# Altium PCB SMIOT_PCB_V2.PcbDoc (part 1 of 2)
Units mm, origin at the board's own origin, x right, y up, seen from the top; angles counter-clockwise.
Board outline 99.95 x 48.01 mm, 2 copper layers (Top Layer, Bottom Layer); 112 components, 69 nets, 364 pads, 712 vias.
Unrouted connection lines stored in the file: 1.
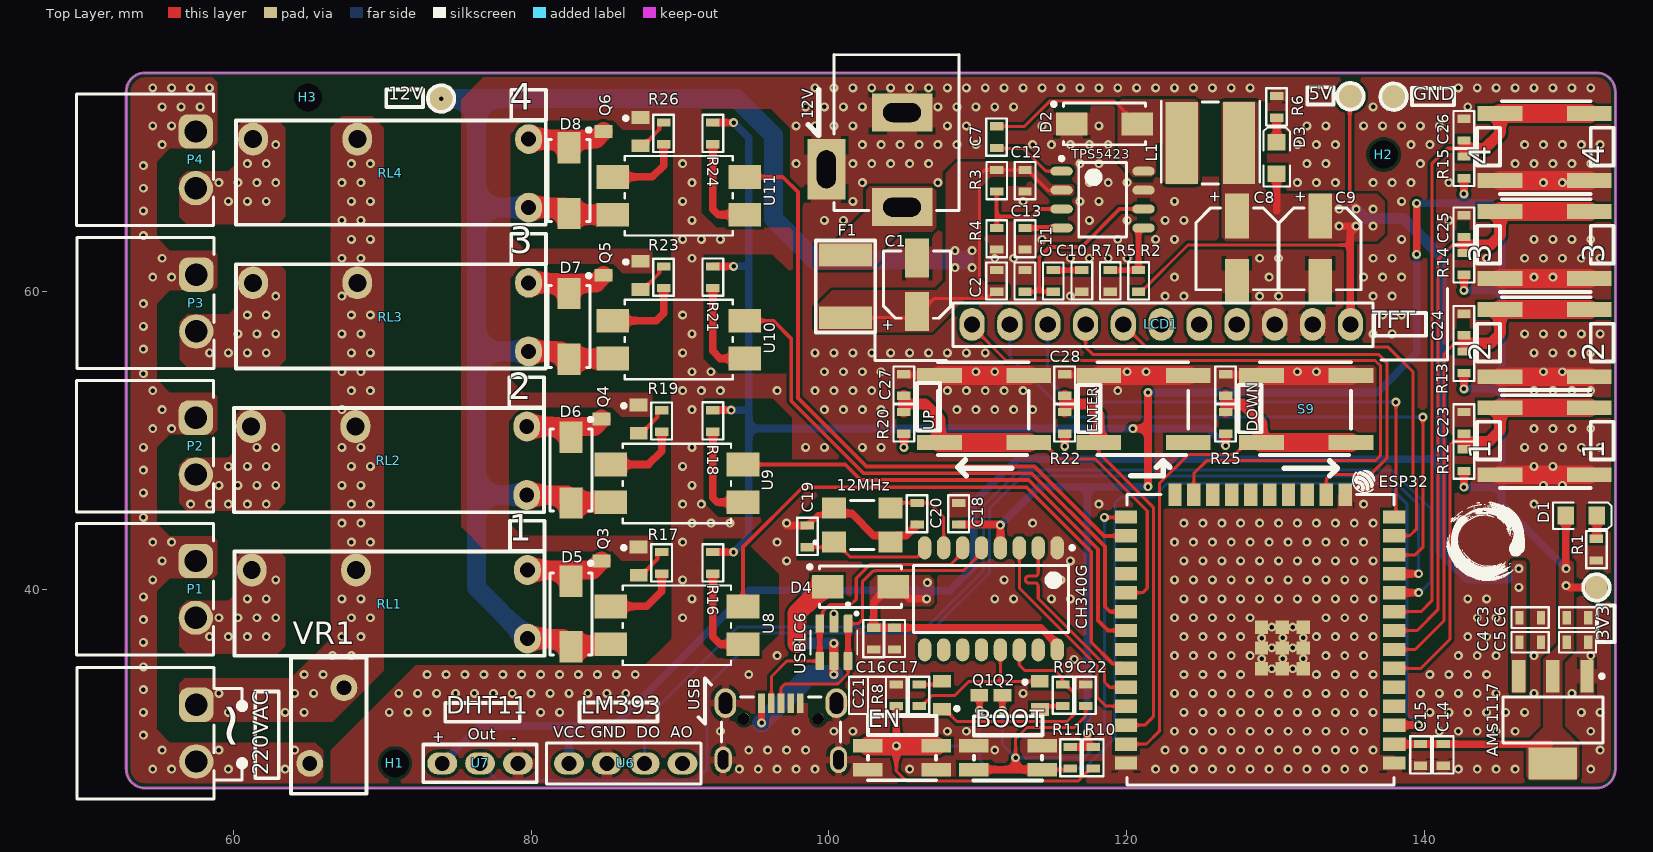
[diagram p0: Top Layer view]
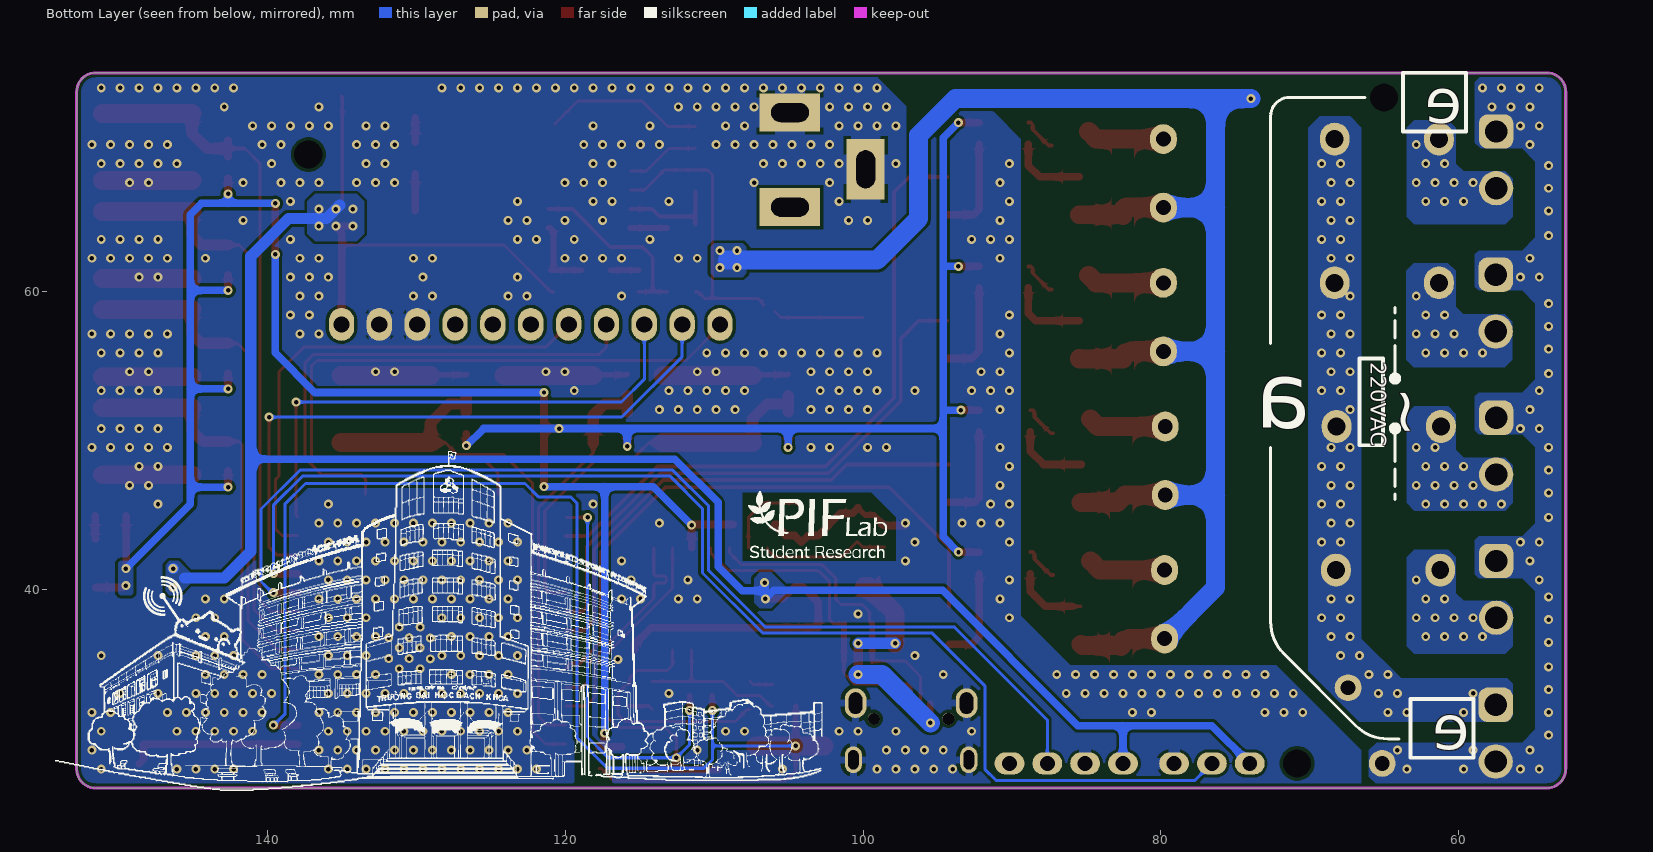
[diagram p1: Bottom Layer view, seen from below]

## Layer stack, top to bottom
Top Solder: solder mask 0.0102, Solder Resist, Dk 3.5
Top Layer: signal copper 0.0356
Dielectric 1: dielectric 0.32, FR-4, Dk 4.8
Bottom Layer: signal copper 0.0356
Bottom Solder: solder mask 0.0102, Solder Resist, Dk 3.5

## Board outline
52.832,27.94 52.832,73.406 cw(c54.102,73.406) 54.102,74.676 151.511,74.676 cw(c151.511,73.406) 152.781,73.406 152.781,27.94 cw(c151.511,27.94) 151.511,26.67 54.102,26.67 cw(c54.102,27.94)

## Design rules (kind name [scope] priority, off if disabled: settings)
Clearance [All] p1: gap=0.203 ignorepadtopadclearanceinfootprint=FALSE
PolygonConnect PolygonConnect_2 [All vs IsNamedPolygon('GND_L01_P044')] p1: connectstyle=Direct reliefconductorwidth=0.254 reliefentries=4 polygonreliefangle="90 Angle" airgapwidth=0.254
PolygonConnect PolygonConnect_1 [All vs IsNamedPolygon('GND_L01_P044')] p2: thpad.connectstyle=Direct thpad.reliefconductorwidth=0.254 thpad.reliefentries=4 thpad.polygonreliefangle="90 Angle" thpad.airgapwidth=0.254 smdpad.connectstyle=Relief smdpad.reliefconductorwidth=0.762 smdpad.reliefentries=4 smdpad.polygonreliefangle="90 Angle" smdpad.airgapwidth=0.203 via.connectstyle=Relief via.reliefconductorwidth=0.762 via.reliefentries=4 via.polygonreliefangle="90 Angle" via.airgapwidth=0.203
PolygonConnect [All] p3: connectstyle=Relief reliefconductorwidth=0.254 reliefentries=4 polygonreliefangle="90 Angle" airgapwidth=0.254
RoutingVias [All] p1: holewidth=0.711 width=1.27 viastyle="Through Hole" minholewidth=0.711 minwidth=1.27 maxholewidth=0.711 maxwidth=1.27
SolderMaskExpansion [All] p1: expansion=0.102 istentingtop=FALSE
Width [All] p1: maxlimit=1.27 minlimit=0.203 preferedwidth=0.508 minimp=50.000000 maximp=50.000000 favimp=50.000000
30 further rules are at their usual default settings.

## Classes and differential pairs
component class "Power Circuit": 3V3 5V 12V AMS1117 C1 C2 C3 C4 C5 C6 C7 C8 C9 C10 C11 C12 C13 D1 D2 D3 F1 GND H1 H2 H3 L1 R1 R2 R3 R4 R5 R6 R7 TPS5423
component class Output: C27 C28 D5 D6 D7 D8 LCD1 P1 P2 P3 P4 Q3 Q4 Q5 Q6 R16 R17 R18 R19 R20 R21 R22 R23 R24 R25 R26 RL1 RL2 RL3 RL4 S9 U8 U9 U10 U11 UP VR1
component class MCU: 3 BOOT C14 C15 C16 C17 C18 C19 C20 C21 C22 CH340G D4 debug EN Q1 Q2 R8 R9 R10 R11 USBLC6
component class Input: 1 2 4 C23 C24 C25 C26 R12 R13 R14 R15 U6 U7

## Components (designator, comment, footprint, x,y, rotation, side; value= is the part's Value field where it differs from the comment)
1 "Tactile_Switch_6x6" Tactile_Switch_6x6 145.034,47.697 r0 top (schematic designator S3)
2 "Tactile_Switch_6x6" Tactile_Switch_6x6 145.034,54.277 r0 top (schematic designator S4)
3 "Tactile_Switch_6x6" Tactile_Switch_6x6 145.034,60.857 r0 top (schematic designator S5)
3V3 "Test_Point" TP_2MM#1 151.511,40.132 r0 top (schematic designator TP3)
4 "Tactile_Switch_6x6" Tactile_Switch_6x6 145.034,67.437 r0 top (schematic designator S6)
5V "Test_Point" TP_2MM#2 135.001,73.101 r0 top (schematic designator TP2)
12MHz "12MHz" WE-XTAL_CFPX-104 102.235,44.323 r0 top (schematic designator Y1)
12V "Test_Point" TP_2MM#2 73.965,72.949 r0 top (schematic designator TP1)
12V "Jack DC" DC-IN 102.362,68.834 r270 top value="Jac DC" (schematic designator JDC1)
AMS1117 "AMS1117-3.3V" "AMS1117-3.3V SOT223" 148.59,31.242 r270 top (schematic designator U1)
BOOT "Tactile_Switch" Tactile_Button_3x4x2.5 112.014,28.702 r180 top (schematic designator S2)
C1 "22uF" WCAP-ASLI_D4H5.5 105.918,60.452 r270 top
C2 "100nF" CAP_0603 111.252,60.706 r90 top
C3 "1uF" CAP_0603 147.066,38.1 r0 top
C4 "100nF" CAP_0603 147.066,36.449 r0 top
C5 "1uF" CAP_0603 150.241,36.449 r0 top
C6 "100nF" CAP_0603 150.241,38.1 r0 top
C7 "100nF" CAP_0603 111.252,70.358 r90 top
C8 "47uF" WCAP-ASLI_D5H5.5 127.381,62.865 r90 top
C9 "47uF" WCAP-ASLI_D5H5.5 132.969,62.865 r90 top
C10 "1nF" CAP_0603 115.062,60.706 r90 top
C11 "47n" CAP_0603 113.157,60.706 r90 top
C12 "10nF" CAP_0603 113.157,67.437 r270 top
C13 "10nF" CAP_0603 113.157,63.537 r270 top
C14 "10uF" CAP_0603 141.224,28.896 r270 top
C15 "100nF" CAP_0603 139.7,28.896 r270 top
C16 "10uF" CAP_0603 102.997,36.703 r90 top
C17 "100nF" CAP_0603 104.394,36.703 r270 top
C18 "10nF" CAP_0603 108.712,45.085 r90 top
C19 "22pF" CAP_0603 98.552,43.561 r270 top
C20 "22pF" CAP_0603 105.918,45.085 r90 top
C21 "100nF" CAP_0603 104.521,32.893 r90 top
C22 "100nF" CAP_0603 117.221,32.893 r90 top
C23 "100nF" CAP_0603 142.621,51.181 r90 top
C24 "100nF" CAP_0603 142.621,57.785 r90 top
C25 "100nF" CAP_0603 142.621,64.389 r90 top
C26 "100nF" CAP_0603 142.621,70.866 r90 top
C27 "100nF" CAP_0603 105.029,53.721 r90 top
C28 "100nF" CAP_0603 115.824,53.721 r90 top
CH340G "CH340G" DSIP-16 110.871,39.37 r270 top (schematic designator U3)
D1 "LED SMD" LED_0805_Blue 150.495,44.958 r0 top
D2 "D Schottky" SS34 118.491,71.247 r0 top
D3 "LED SMD" LED_0805_Blue 130.048,68.961 r90 top
D4 "D Schottky" SS34 102.108,40.183 r0 top
D5 "SS210" SS34 82.677,38.354 r270 top
D6 "SS210" SS34 82.677,48.006 r270 top
D7 "SS210" SS34 82.55,57.658 r270 top
D8 "SS210" SS34 82.55,67.437 r270 top
DOWN "100nF" CAP_0603 126.619,53.721 r90 top (schematic designator C29)
EN "Tactile_Switch" Tactile_Button_3x4x2.5 104.902,28.702 r0 top (schematic designator S1)
ENTER "Tactile_Switch_6x6" Tactile_Switch_6x6 124.11,54.356 r180 top (schematic designator S8)
ESP32 "ESP32-WROOM-32E" ESP32-WROOM 137.932,46.361 r180 top (schematic designator U5)
F1 "8V, 2A" Fuse_SMD_1812 101.092,60.325 r270 top
GND "Test_Point" TP_2MM#2 137.897,73.076 r0 top (schematic designator TP4)
H1 "Tooling Hole 1mm" 2mm#1 70.866,28.321 r0 top
H2 "Tooling Hole 1mm" 2mm#2 137.23,69.187 r0 top
H3 "Tooling Hole 1mm" 2mm#1 65.024,73.025 r0 top
L1 "10uH, 2.2A" WE-PD2A_5848 125.603,69.977 r0 top
LCD1 "ILI9225" "LCD TFT ILI9225" 118.487,115.176 r0 top
P1 "691322310002" 691322310002 54.102,40.005 r270 top
P2 "691322310002" 691322310002 54.102,49.615 r270 top
P3 "691322310002" 691322310002 54.131,59.224 r270 top
P4 "691322310002" 691322310002 54.102,68.834 r270 top
Q1 "BC817" SOT23B 108.839,32.893 r270 top
Q2 "BC817" SOT23B 112.903,32.893 r90 top
Q3 "MMBTA42" SOT23B 85.979,41.91 r90 top
Q4 "MMBTA42" SOT23B 85.979,51.435 r90 top
Q5 "MMBTA42" SOT23B 86.106,61.087 r90 top
Q6 "MMBTA42" SOT23B 86.106,70.739 r90 top
R1 "2.5k" resistor_0603 151.511,42.672 r270 top
R2 "8.2k" resistor_0603 120.777,60.706 r270 top
R3 "100k" resistor_0603 111.252,67.437 r270 top
R4 "20k" resistor_0603 111.252,63.537 r270 top
R5 "1.5k" resistor_0603 118.872,60.706 r270 top
R6 "5.6k" resistor_0603 130.048,72.39 r90 top
R7 "30k" resistor_0603 116.967,60.706 r270 top
R8 "10k" resistor_0603 106.045,32.893 r90 top
R9 "10k" resistor_0603 115.697,32.893 r270 top
R10 "10k" resistor_0603 117.729,28.702 r270 top
R11 "10k" resistor_0603 116.205,28.702 r270 top
R12 "10k" resistor_0603 142.621,48.678 r90 top
R13 "10k" resistor_0603 142.621,55.245 r90 top
R14 "10k" resistor_0603 142.621,61.849 r90 top
R15 "10k" resistor_0603 142.621,68.326 r90 top
R16 "220" resistor_0603 92.202,41.783 r270 top
R17 "2.2k" resistor_0603 88.773,41.783 r90 top
R18 "220" resistor_0603 92.202,51.308 r270 top
R19 "2.2k" resistor_0603 88.773,51.308 r90 top
R20 "10k" resistor_0603 105.029,51.181 r90 top
R21 "220" resistor_0603 92.202,60.96 r270 top
R22 "10k" resistor_0603 115.824,51.181 r90 top
R23 "2.2k" resistor_0603 88.9,60.96 r90 top
R24 "220" resistor_0603 92.202,70.612 r270 top
R25 "10k" resistor_0603 126.619,51.181 r90 top
R26 "2.2k" resistor_0603 88.9,70.612 r90 top
RL1 "HF46F" HF46F 70.506,38.753 r180 top
RL2 "HF46F" HF46F 70.464,48.387 r180 top
RL3 "HF46F" HF46F 70.591,58.029 r180 top
RL4 "HF46F" HF46F 70.591,67.681 r180 top
S9 "Tactile_Switch_6x6" Tactile_Switch_6x6 135.032,54.356 r180 top
TPS5423 "TPS54231D" SOIC8 118.364,66.167 r0 top (schematic designator U2)
U6 "LM393_Module" "Flame Sensor" 82.55,28.321 r270 top
U7 "DHT11_Module" DHT11_Module 74.041,28.321 r270 top
U8 "PC817X2NIPW" PC817XI_SHP 89.789,37.592 r180 top
U9 "PC817X2NIPW" PC817XI_SHP 89.789,47.117 r180 top
U10 "PC817X2NIPW" PC817XI_SHP 89.916,56.769 r180 top
U11 "PC817X2NIPW" PC817XI_SHP 89.916,66.421 r180 top
UP "Tactile_Switch_6x6" Tactile_Switch_6x6 113.411,54.356 r180 top (schematic designator S7)
USB "629105150521" 629105150521 96.774,29.464 r0 top (schematic designator J1)
USBLC6 "USBLC6-2SC6" SOT95P280X145-6N 100.33,36.449 r270 top (schematic designator U4)
VR1 "Varistor" 07D471K 65.913,33.909 r270 top
~ "691322310002" 691322310002 54.131,30.353 r270 top (schematic designator P5)

## Footprints (in the part's own frame and the unit in brackets; to place one, negate y for a bottom-side part, rotate by r counter-clockwise, add the part's x,y. Pads: shape width x height; smd on the part's side, far side on the other; paste and mask are expansions set on the pad)
2mm#1 [mm]
  round 0 hole 1.9 unplated mask+0: 0(0,0)
2mm#2 [mm]
  round 1.1 hole 1.9 unplated mask+0: 0(0,0)
07D471K [mm] "Varistor 07D471K 470V"
  round 1.8 hole 1: 1(0.508,1.524) 2(5.588,-0.762)
  silkscreen extent -1.52,-2.03 7.62,3.05, body extent -1.45,-1.99 7.55,3.01, height 12.5
629105150521 [mm]
  rect 0.45x1.3 smd: 1(-1.3,2.9) 2(-0.65,2.9) 3(0,2.9) 4(0.65,2.9) 5(1.3,2.9)
  round 0.8 hole 0.8 unplated: MH1(-2.5,1.85) MH2(2.5,1.85)
  oval 1.15x1.8 hole 0.7 slot 1.3 at 90 deg: Shell(-3.875,-0.9) Shell(3.875,-0.9)
  oval 1.45x2 hole 0.9 slot 1.45 at 90 deg: Shell(-3.725,2.9) Shell(3.725,2.9)
  silkscreen extent -4,0.3 4,3.3, body extent -4,-3.3 4,3.3, height 2.75
691322310002 [mm] "Horizontal PCB Header, pitch 3.81mm, 02p"
  rrect50% 2.3x2.3 hole 1.5: 1(-1.905,3.4)
  round 2.3 hole 1.5: 2(1.905,3.4)
  silkscreen extent -4.4,-4.6 4.41,4.6, body extent -4.4,-4.6 4.41,4.6, height 7.25
"AMS1117-3.3V SOT223" [mm] "SOT223, 4-Leads, Body 6.51x7.00mm, Pitch 2.29mm"
  rect 2.15x0.9 smd: 1(-2.93,2.29) 2(-2.93,0) 3(-2.93,-2.29)
  rect 2.15x3.25 smd: 4(2.93,0)
  silkscreen extent -3.05,-3.35 1.55,3.42, body extent -3.5,-3.35 3.5,3.35, height 1.8
CAP_0603 [mm]
  rect 0.55x0.9 smd: 1(-0.725,0) 2(0.725,0)
  silkscreen extent -1.25,-0.69 1.24,0.7, body extent -0.8,-0.45 0.8,0.45, height 0.5
DC-IN [mil]
  rect 100x160 hole 50 slot 100 at 90 deg: 1(125,100) 2(-125,100)
  rect 160x100 hole 50 slot 100 at 0 deg: 3(25,-100)
  silkscreen extent -278,-80 134,250, body extent -410,-105 134,269, height 434
DHT11_Module [mm]
  oval 1.5x2 hole 1: 1(0,0) 2(0,2.54) 3(0,5.08)
  silkscreen extent -1.27,-1.27 1.27,6.35, body extent -0.99,-5.08 7.51,10.92, height 3.61
DSIP-16 [mm]
  oval 1.55x0.9 smd: 1(-3.425,4.445) 2(-3.425,3.175) 3(-3.425,1.905) 4(-3.425,0.635) 5(-3.425,-0.635) 6(-3.425,-1.905) 7(-3.425,-3.175) 8(-3.425,-4.445) 9(3.425,-4.445) 10(3.425,-3.175) 11(3.425,-1.905) 12(3.425,-0.635) 13(3.425,0.635) 14(3.425,1.905) 15(3.425,3.175) 16(3.425,4.445)
  silkscreen extent -3.55,-5.2 2.25,5.57, body extent -3.75,-5.2 3.75,5.2, height 2.25
ESP32-WROOM [mm]
  rect 1.5x0.9 smd mask+0.102: 1(0,18.01) 2(0,16.74) 3(0,15.47) 4(0,14.2) 5(0,12.93) 6(0,11.66) 7(0,10.39) 8(0,9.12) 9(0,7.85) 10(0,6.58) 11(0,5.31) 12(0,4.04) 13(0,2.77) 14(0,1.5) 25(18,1.5) 26(18,2.77) 27(18,4.04) 28(18,5.31) 29(18,6.58) 30(18,7.85) 31(18,9.12) 32(18,10.39) 33(18,11.66) 34(18,12.93) 35(18,14.2) 36(18,15.47) 37(18,16.74) 38(18,18.01)
  rect 0.9x1.5 smd mask+0.102: 15(3.28,0) 16(4.55,0) 17(5.82,0) 18(7.09,0) 19(8.36,0) 20(9.63,0) 21(10.9,0) 22(12.17,0) 23(13.44,0) 24(14.71,0)
  round 0.6 hole 0.3 mask+0.102: 39(6.096,9.598) 39(6.096,10.998) 39(6.807,8.884) 39(6.807,10.284) 39(6.807,11.684) 39(7.468,9.598) 39(7.468,10.998) 39(8.204,8.884) 39(8.204,10.284) 39(8.204,11.684) 39(8.89,9.624) 39(8.89,11.024)
  rect 0.9x0.9 smd mask+0.102: 39(6.1,8.89) 39(6.1,10.29) 39(6.1,11.69) 39(7.5,8.89) 39(7.5,10.29) 39(7.5,11.69) 39(8.9,8.89) 39(8.9,10.29) 39(8.9,11.69)
  silkscreen extent 0,0 17.94,19.5, body extent -0.03,-0.03 18.04,25.51, height 3.04
"Flame Sensor" [mm]
  oval 1.5x2 hole 1: 1(0,0) 2(0,2.54) 3(0,5.08) 4(0,7.62)
  silkscreen extent -1.37,-1.52 1.37,8.86, body extent -1.16,-4.57 6.6,9.65, height 40.07
Fuse_SMD_1812 [mil] "Fuse SMD, size 1812"
  rect 60x140 smd: 0(-83.41,0) 1(82,0)
  silkscreen extent -122,-78 121,79, body extent -93,-67 93,67, height 18
HF46F [mm]
  oval 1.8x2 hole 1: 1(-9.25,2.05) 2(-9.25,-2.55)
  oval 2x2.2 hole 1.2: 3(2.25,-2.55) 4(9.25,-2.55)
  silkscreen extent -10.4,-3.8 10.4,3.2, body extent -10.2,-3.81 10.2,3.19, height 14.79
"LCD TFT ILI9225" [mm]
  oval 1.7x2.2 hole 1.1 mask+0.102: 1(-8.886,-57.391) 2(-6.346,-57.391) 3(-3.806,-57.391) 4(-1.266,-57.391) 5(1.274,-57.391) 6(3.814,-57.391) 7(6.354,-57.391) 8(8.894,-57.391) 9(11.434,-57.391) 10(13.974,-57.391) 11(16.514,-57.391)
  silkscreen extent -15.39,-59.82 23.01,-54.99, body extent -15.4,-59.78 23.05,2.76, height 14.67
LED_0805_Blue [mm]
  rect 1.1x1.2 smd: 1(-1.05,0) 2(1.05,0)
  silkscreen extent -1.91,-0.89 2.03,0.89, body extent -1,-0.63 1,0.62, height 0.68
PC817XI_SHP [mm]
  rect 2.2x1.6 smd paste+0 mask+0: 1(-4.432,1.27) 2(-4.432,-1.27) 3(4.432,-1.27) 4(4.432,1.27)
  silkscreen extent -3.63,-2.67 3.63,2.67, body extent -5,-2.54 5,2.54, height 4.6
resistor_0603 [mm]
  rect 0.55x0.9 smd: 1(-0.725,0) 2(0.725,0)
  silkscreen extent -1.25,-0.69 1.24,0.7, body extent -0.8,-0.45 0.8,0.45, height 0.5
SOIC8 [mm]
  oval 1.5x0.6 smd: 1(-2.75,1.905) 2(-2.75,0.635) 3(-2.75,-0.635) 4(-2.75,-1.905) 5(2.75,-1.905) 6(2.75,-0.635) 7(2.75,0.635) 8(2.75,1.905)
  silkscreen extent -2.87,-2.5 1.6,2.88, body extent -3.01,-2.5 3.01,2.5, height 1.75
SOT23B [mm]
  rect 0.85x1.2 smd: 1(0.94,-1.245) 2(0,1.25) 3(-0.95,-1.25)
  silkscreen extent 0.77,-0.38 1.02,-0.13, body extent -1.5,-1.3 1.5,1.2, height 1.06
SOT95P280X145-6N [mm]
  rrect25% 1.21x0.59 smd: 1(-1.255,0.95) 2(-1.255,0) 3(-1.255,-0.95) 4(1.255,-0.95) 5(1.255,0) 6(1.255,0.95)
  silkscreen extent -2.65,-1.57 0.81,1.57, body extent -1.4,-1.46 1.4,1.46, height 0.4
SS34 [mm]
  rect 2.1x1.55 smd: 1(-2.2,0) 2(2.2,0)
  silkscreen extent -3.52,-1.4 2.75,1.45, body extent -2.75,-1.42 2.75,1.38, height 2.3
Tactile_Button_3x4x2.5 [mm] "Tactile button, 4 Pin, SMD"
  rect 2x0.9 smd: 1(-2.3,0.8) 2(2.3,0.8) 3(2.3,-0.8) 4(-2.3,-0.8)
  silkscreen extent -2.3,-1.5 2.31,1.52
Tactile_Switch_6x6 [mm]
  rect 3x1 smd: 1(0,4.5) 2(6,4.5) 3(6,0) 4(0,0)
  silkscreen extent 0,-0.89 6.1,5.33, body extent -1.5,-0.79 7.5,5.21, height 13
TP_2MM#1 [mm] "Test point, 2mm."
  oval 1.5x2 smd: 1(0,0)
  silkscreen extent -0.89,-0.89 0.89,0.89
TP_2MM#2 [mm] "Test point, 2mm."
  round 2 smd: 1(0,0)
  silkscreen extent -0.89,-0.89 0.89,0.89
WCAP-ASLI_D4H5.5 [mm] "Aluminium Electrolytic V-Chip SMT Capacitors, 4x5.5mm"
  rect 2.6x1.6 smd: 1(1.8,0) 2(-1.8,0)
  silkscreen extent -2.25,-2.25 2.25,2.25, body extent -2.5,-2.15 2.5,2.15, height 5.5
WCAP-ASLI_D5H5.5 [mm] "Aluminium Electrolytic V-Chip SMT Capacitors, 5x5.5mm"
  rect 3x1.6 smd: 1(2.2,0) 2(-2.2,0)
  silkscreen extent -2.75,-2.75 2.75,2.75, body extent -3,-2.65 3,2.65, height 5.5
WE-PD2A_5848 [mm] "SMD Power Inductor, body 5.8x5.2mm"
  rect 2.15x5.5 smd: 1(-1.925,0) 2(1.925,0)
  silkscreen extent -0.55,-2.75 0.55,2.75, body extent -2.9,-2.6 2.89,2.6, height 4.5
WE-XTAL_CFPX-104 [mm]
  rect 1.6x1.4 smd: 1(-1.9,-1.15) 2(1.9,-1.15) 3(1.9,1.15) 4(-1.9,1.15)
  silkscreen extent -3.24,-1.65 0.8,1.65, body extent -2.5,-1.6 2.5,1.6, height 0.95

## Part data
1 2 3 4 ENTER S9 UP: "Tactile Switch, 6x6mm"
3V3 5V 12V GND: "Test point, 2mm radius"
12MHz: library part 830055999, "WE-XTAL Quartz Crystal, SMT, CFPX-104, 12MHz, +/-30ppm", Frequency Stability=+/-30ppm, Load Capacitance=18pF, Manufacturer="Wurth Elektronik", Operating Temperature="-40 to +85degC", ComponentLink1Description=Manufacturer, ComponentLink1URL=http://www.we-online.de, ComponentLink2Description=Datasheet, ComponentLink2URL=https://katalog.we-online.com/pbs/datasheet/830055999.pdf, Frequency=12MHz, Frequency Tolerance=+/-30ppm, Manufacturer Part Number=830055999, Mounting Technology=SMT, Packaging="Tape and Reel", Published Date="July 2020", Size=CFPX-104
12V: "Jack DC input"
AMS1117: "AMS1117-3.3V, OUT 3.3V 1A.", Current Output Maximum=1A, Manufacturer=AMS, Voltage Input Maximum=15V, Voltage Output=3.3V, Datasheet=http://www.advanced-monolithic.com/pdf/ds1117.pdf, Mounting Technology=SMD, Pad Count=4, Supplier 3 Link=https://www.thegioiic.com/ams1117-3-3v-ic-on-ap-3-3v-1a-sot-223, Supplier 3 Name=ThegioiIC
BOOT EN: "Tactile Switch, 3x4x2.5mm", Package=None, Availability=Unavailable, ComponentLink1Description="New link", MP=TL6700AF160QG, Price=None, Supplier 1 Name=Thegioiic, Supplier 1 URL=https://www.thegioiic.com/nut-nhan-3x4mm-cao-2-5mm-4-chan-smd
C1: library part 865080340003, "V-Chip, D4 x H5.5mm, 22uF, 16V", Capacitance Tolerance=+/-20%, Leakage Current=3.52uA, Operating Temperature Max=105°C, Operating Temperature Min=-55°C, Rated Voltage (DC)=16V, Ripple Current=90mA, Capacitance=22uF, Category="Aluminum Electrolytic Capacitors", ComponentLink2Description="Datasheet Link", ComponentLink2URL=https://www.we-online.com/redexpert/spec/865080340003?ad, Diameter=4mm, Dissipation Factor=16%, Endurance=2000h, Height=5.5mm, Mount="Surface Mount", Packaging="Tape and Reel", Supply 1 Name=Mouser, Supply 1 SN=710-865080340003, Supply 1 URL=https://www.mouser.com/ProductDetail/Wurth-Elektronik/865080340003?qs=0KOYDY2FL2%252BowmC4S50IuQ%3D%3D, Supply 2 Name=thegioiic, Supply 2 URL=https://www.thegioiic.com/tu-nhom-smd-22uf-16v-4x5-4mm
C2 C4 C6 C7 C15 C17 C21 C22 C23 C24 C25 C26 C27 C28 DOWN: library part 01060310410, "CAP, size 0603, 100nF", Capacitance Tolerance=+/-10%, Operating Temperature="-55 to +125degC", Capacitance=100nF, ComponentLink1Description=Manufacturer, ComponentLink1URL=http://www.we-online.de, ComponentLink2Description=Datasheet, ComponentLink2URL=https://www.we-online.com/catalog/datasheet/885012206095.pdf, Mounting Technology=SMT, Packaging="Tape and Reel", Size=0603, Supply 1 Name="Wurth Elektronik", Supply 1 SN=885012206095, Supply 1 URL=https://www.we-online.com/en/components/products/WCAP-CSGP-50VDC?sq=885012206095R#885012206095R, Supply 2 Name=Thegioiic, Supply 2 URL=https://www.thegioiic.com/tu-gom-0603-100nf-0-1uf-50v
C3 C5: library part 01060310510, "CAP, size 0603, 1uF", Capacitance Tolerance=+/-10%, Operating Temperature="-55 to +125degC", Capacitance=1uF, ComponentLink1Description=Manufacturer, ComponentLink1URL=http://www.we-online.de, ComponentLink2Description=Datasheet, ComponentLink2URL=https://www.we-online.com/components/products/datasheet/885012206126.pdf, Mounting Technology=SMT, Packaging="Tape and Reel", Size=0603, Supply 1 Name="Wurth Elektronik", Supply 1 SN=885012206126, Supply 1 URL=https://www.we-online.com/en/components/products/WCAP-CSGP-50VDC?sq=885012206126#885012206126, Supply 2 Name=Thegioiic, Supply 2 URL=https://www.thegioiic.com/tu-gom-0603-1uf-50v
C8 C9: library part 865080342006, "V-Chip, D5 x H5.5mm, 47uF, 16V", Capacitance Tolerance=+/-20%, Leakage Current=7.52uA, Operating Temperature Max=105°C, Operating Temperature Min=-55°C, Rated Voltage (DC)=16V, Ripple Current=195mA, Capacitance=47uF, Category="Aluminum Electrolytic Capacitors", ComponentLink2Description="Datasheet Link", ComponentLink2URL=https://www.we-online.com/redexpert/spec/865080342006?ad, Diameter=5mm, Dissipation Factor=16%, Endurance=2000h, Height=5.5mm, Mount="Surface Mount", Packaging="Tape and Reel", Supply 1 Name=Mouser, Supply 1 SN=710-865080262015, Supply 1 URL=https://www.mouser.com/ProductDetail/Wurth-Elektronik/865080262015?qs=0KOYDY2FL2%2Ffe5w2MssUoQ%3D%3D, Supply 2 Name=thegioiic, Supply 2 URL=https://www.thegioiic.com/tu-nhom-smd-47uf-16v-5x5-4mm
C10: library part 0106031025, "CAP, size 0603, 1nF", Capacitance Tolerance=+/-5%, Operating Temperature="-55 to +125degC", Capacitance=1nF, ComponentLink1Description=Manufacturer, ComponentLink1URL=http://www.we-online.de, ComponentLink2Description=Datasheet, ComponentLink2URL=https://www.we-online.com/components/products/datasheet/885012006063.pdf, Mounting Technology=SMT, Packaging="Tape and Reel", Size=0603, Supply 1 Name="Wurth Elektronik", Supply 1 SN=885012006063, Supply 1 URL=https://www.we-online.com/en/components/products/WCAP-CSGP-50VDC?sq=885012007063#885012007063
C11: library part 01060347310, "CAP, size 0603, 47nF", Capacitance=47nF, Capacitance Tolerance=+/-10%, Operating Temperature="-55 to +125degC", ComponentLink1Description=Manufacturer, ComponentLink1URL=http://www.we-online.de, ComponentLink2Description=Datasheet, ComponentLink2URL=https://www.we-online.com/catalog/datasheet/885012206093.pdf, Mounting Technology=SMT, Packaging="Tape and Reel", Size=0603, Supply 1 Name="Wurth Elektronik", Supply 1 SN=885012206093, Supply 1 URL=https://www.we-online.com/en/components/products/WCAP-CSGP-50VDC?sq=885012206093#885012206093, Supply 2 Name=Thegioiic, Supply 2 URL=https://www.thegioiic.com/tu-gom-0603-47nf-50v
C12 C13 C18: library part 01060310310, "CAP, size 0603, 10nF", Capacitance Tolerance=+/-10%, Operating Temperature="-55 to +125degC", Capacitance=10nF, ComponentLink1Description=Manufacturer, ComponentLink1URL=http://www.we-online.de, ComponentLink2Description=Datasheet, ComponentLink2URL=https://www.we-online.com/catalog/datasheet/885012206089.pdf, Mounting Technology=SMT, Packaging="Tape and Reel", Size=0603, Supply 1 Name="Wurth Elektronik", Supply 1 SN=885012206089, Supply 1 URL=https://www.we-online.com/en/components/products/WCAP-CSGP-50VDC?sq=885012206089#885012206089, Supply 2 Name=Thegioiic, Supply 2 URL=https://www.thegioiic.com/tu-gom-0603-10nf-50v
C14 C16: library part 01060310010, "CAP, size 0603,10uF", Capacitance Tolerance=+/-10%, Operating Temperature="-55 to +125degC", Capacitance=10uF, ComponentLink1Description=Manufacturer, ComponentLink2Description=Datasheet, Mounting Technology=SMT, Packaging="Tape and Reel", Size=0603, Supply 2 Name=Thegioiic, Supply 2 URL=https://www.thegioiic.com/tu-gom-0603-10uf-16v
C19 C20: library part 01060322010, "CAP, size 0603, 22pF", Capacitance Tolerance=+/-10%, Operating Temperature="-55 to +125degC", Capacitance=22pF, ComponentLink1Description=Manufacturer, ComponentLink1URL=Thegioiic, ComponentLink2Description=Datasheet, Mounting Technology=SMT, Packaging="Tape and Reel", Size=0603, Supply 2 Name=Thegioiic, Supply 2 URL=https://www.thegioiic.com/tu-gom-0603-22pf-50v
CH340G: library part CH340, "USB Bridge, USB to UART USB 2.0 UART Interface", Current - Supply=20mA, Mfr="SparkFun Electronics", Operating Temperature="-20°C ~ 70°C (TA)", Voltage - Supply="3V ~ 3.6V", ComponentLink1Description=Thegioiic, ComponentLink1URL=https://www.thegioiic.com/ch340g, ComponentLink2Description=Datasheet, ComponentLink2URL=https://www.thegioiic.com/upload/documents/5d39d5f0043101a4c964078db79fe1bd.PDF, Function="Bridge, USB to UART", Interface=UART, Protocol=USB, Standards="USB 2.0"
D1 D3: "LED"
D2 D4: "Schottky Diode", Code_JEDEC=DO-214-AA, LatestRevisionDate=17-Jul-2002, LatestRevisionNote="Re-released for DXP Platform.", PackageDescription="DO-214-AA/SMB; 2 C-Bend Leads; Body 5.3 x 3.6 mm, inc. leads (LxW)", PackageReference=SMB, Published=8-Jun-2000, Publisher="Altium Limited"
D5 D6 D7 D8: library part "D Schottky", "Schottky Diode", Code_JEDEC=DO-214-AA, LatestRevisionDate=17-Jul-2002, LatestRevisionNote="Re-released for DXP Platform.", PackageDescription="DO-214-AA/SMB; 2 C-Bend Leads; Body 5.3 x 3.6 mm, inc. leads (LxW)", PackageReference=SMB, Published=8-Jun-2000, Publisher="Altium Limited"
ESP32: library part ESP32-WROOM, "Bluetooth, WiFi 802.11b/g/n, Bluetooth v4.2 +EDR, Class 1, 2 and 3 Transceiver Module 2.4GHz ~ 2.5GHz Integrated, Trace Surface Mount", Frequency="2.4GHz ~ 2.5GHz", Mfr="Espressif Systems", Operating Temperature="-40°C ~ 85°C", Power - Output=20dBm, Voltage - Supply="3V ~ 3.6V", Antenna Type="Integrated, Trace", Category="RF and Wireless", ComponentLink1Description=Hshop, ComponentLink1URL=https://hshop.vn/products/mach-thu-phat-wifi-ble-soc-esp32-v1, ComponentLink2Description=Datasheet, ComponentLink2URL=https://www.espressif.com/sites/default/files/russianDocumentation/esp32-wroom-32e_esp32-wroom-32ue_datasheet_en.pdf, Data Rate=150Mbps, Memory Size="4MB Flash, 448kB ROM, 536kB SRAM", Modulation="CCK, DSSS, OFDM", Mounting Type="Surface Mount", Protocol="802.11b/g/n, Bluetooth v4.2 +EDR, Class 1, 2 and 3", RF Family/Standard="Bluetooth, WiFi", Sensitivity=-98dBm, Serial Interfaces="ADC, GPIO, I²C, I²S, PWM, SDIO, SPI, UART", Series=ESP32, Utilized IC / Part=ESP32-D0WD-V3
F1: library part 061812200008, "Resettable Fuse, Size 1812, 8V, 2A", Hold Current=2A, Manufacturer=Littelfuse, Threshold Current=100A, Threshold Voltage=8V, Trip Current=4A, ComponentLink1Description="Datasheet link", ComponentLink1URL=https://www.littelfuse.com/~/media/electronics/product_specifications/resettable_ptcs/littelfuse_ptc_minismdc300f_2_product_specification.pdf.pdf, ComponentLink2Description="Supply 1 URL", ComponentLink2URL=https://www.mouser.vn/ProductDetail/Littelfuse/MINISMDC200F-2?qs=F6FIpiMdEVbPu4q%2F42CC1w%3D%3D, ComponentLink3Description="Supply 2 URL", ComponentLink3URL=https://www.digikey.com/en/products/detail/littelfuse-inc/MINISMDC200F-2/1045898?s=N4IgTCBcDaIAQFkCSA5JBlBARAwmADPgGIC0EAugL5A, ComponentLink4Description="Supply 3 URL", ComponentLink4URL=https://www.thegioiic.com/cau-chi-tu-phuc-hoi-1812-8v-2a, Mounting Technology=SMT/SMD, Size=1812, Supply 1 Name=Mouser, Supply 1 SN=650-MINISMDC200F-2, Supply 2 Name=Digikey, Supply 2 SN=MINISMDC200F-2TR-ND, Supply 3 Name=Thegioiic, Supply 3 SN=N/A
H1 H2 H3: library part "Tooling Hole 2mm"
L1: library part 78477410, "WE-PD2A SMT Power Inductor, size 5848, 10uH, 2.2A", DC Resistance max.=0.1Ohm, DC Resistance typ.=0.078Ohm, Inductance=10uH, Manufacturer="Wurth Elektronik", Operating Temperature="-40 to +125degC", Rated Current=2.2A, Rated Voltage=80VDC, Saturation Current=2.5A, Self Resonant Frequency=26MHz, ComponentLink1Description=Manufacturer, ComponentLink1URL=http://www.we-online.de, ComponentLink2Description=Datasheet, ComponentLink2URL=https://www.we-online.com/catalog/datasheet/78477410.pdf, Manufacturer Part Number=78477410, Mounting Technology=SMT, Packaging="Tape and Reel", Published Date="May 2020", Size=5848, Supply 1 Name=Digi-Key, Supply 1 SN=732-6830-2-ND, Supply 1 URL=https://www.digikey.com/en/products/detail/w%C3%BCrth-elektronik/78477410/5168779?s=N4IgTCBcDaIOwA4Asc5IIwAYQF0C%2BQA, Supply 2 Name=Mouser, Supply 2 SN=710-78477410, Supply 2 URL=https://www.mouser.vn/ProductDetail/Wurth-Elektronik/78477410?qs=sBf%2Fb4nBSldlX6CYaJExDg%3D%3D, Supply 3 Name=thegioiic, Supply 3 URL=https://www.thegioiic.com/cuon-cam-dan-smd-cd53-5852-100-10uh-1-8a
LCD1: library part "LCD TFT", "The ILI9225 is a 262,144-color one-chip SoC driver for a-TFT liquid crystal display with resolution of 176RGBx220 dots, comprising a 528-channel source driver, a 220-channel gate driver, 87120 bytes RAM for graphic data of 176RGBx220 dots, and power supply circuit.", Display Color="16BIT RGB 65K color", Operating Temperature=-20℃~60℃, Operating Voltage=5V/3.3V, Power Consumption=TBD, Rough Weight(Package containing)="23 (g)", Storage Temperature=-30℃~70℃, Active Area="34.85x43.56 (mm)", Backlight="3 White Led", ComponentLink1Description=Hshop, ComponentLink1URL=https://hshop.vn/products/man-hinh-lcd-tft-2-inch-ili9225-giao-tiep-spi, ComponentLink2Description=Thegioiic, ComponentLink2URL=https://www.thegioiic.com/lcd-2inch-176x220-tft-ili9225-giao-tiep-spi, Driver IC=ILI9225, Module Interface="4-wire SPI interface", Module PCB Size="42.46x67.20 (mm)", Resolution="176*220 (Pixel)", Screen Size=2.2(inch), SKU=MAR2201, Type=TFT
P1 P2 P3 P4 ~: "WR-TBL Series 322 Horizontal PCB Header, THT, pitch 3.81mm, 2p", Manufacturer="Wurth Elektronik", Operating Temperature Max=105°C, Operating Temperature Min=-40°C, Rated Current=10A, Working Voltage=300V, Application=Pluggable, Category="Terminal Blocks", ComponentLink1Description="Website Link", ComponentLink1URL=https://www.we-online.com/redexpert/article/691322310002?ad, ComponentLink2Description="Datasheet Link", ComponentLink2URL=https://www.we-online.com/redexpert/spec/691322310002?ad, Manufacturer Part Number=691322310002, Match Code=WR-TBL, Modularity=No, Mount="Through Hole", Number of Pins=2, Number of Rows=1, Orientation=Horizontal, Packaging=Box, Pitch=3.81mm, Supply 3 Name=ThegioiIC, Supply 3 URL 1=https://www.thegioiic.com/kf-3-81-2-r-terminal-block-plug-in-han-pcb-2-chan-cong-3-81mm-300v-10a, Supply 3 URL 2=https://www.thegioiic.com/ul-3-81-2-r-terminal-block-plug-in-han-pcb-2-chan-cong-3-81mm-300v-10a-ulo
Q1 Q2: "NPN Bipolar Transistor"
Q3 Q4 Q5 Q6: library part BC817, "NPN Bipolar Transistor"
R1: library part 0006032525, "RES, 2.5K Ohm, size 0603, 5%", Rated Power="1/4 W", Resistance=2.5K, Resistance tolerance=+/-5%, ComponentLink1Description="Datasheet link", Mounting Technology=SMT, Size=0603
R2: library part 0006038251, "RES, 8.2 kOhms, size 0603, 1%", Rated Power="1/4 W", Resistance=8.2K, Resistance tolerance=+/-1%, ComponentLink1Description="Datasheet link", Mounting Technology=SMT, Size=0603, Supply 1 Name=Mouser, Supply 1 SN=660-HV731JTTD8204F, Supply 1 URL=https://www.mouser.vn/ProductDetail/KOA-Speer/HV731JTTD8204F?qs=ZqVPfSd1khqN0teaqWW7DA%3D%3D, Supply 2 Name=Digi-Key, Supply 2 SN=13-RC0603FR-078M2LTR-ND, Supply 2 URL=https://www.digikey.com/en/products/detail/yageo/RC0603FR-078M2L/5918418
R3: library part 0006031041, "RES, 100k Ohm, size 0603, 1%", Rated Power=1/4W, Resistance Tolerant=+/-1%, ComponentLink1Description="Datasheet link", ComponentLink1URL=https://www.yageo.com/upload/media/product/productsearch/datasheet/rchip/PYu-SR_20105_RoHS_L_10.pdf, ComponentLink2Description="Supply 1 URL", ComponentLink2URL=https://www.mouser.vn/ProductDetail/YAGEO/SR0603FR-7T100KL?qs=sGAEpiMZZMvdGkrng054tz1y1XEHv7sNa%252BA%2F4WiDMf7aGw4zRBb%2FFQ%3D%3D, ComponentLink3Description="Supply 2 URL", ComponentLink3URL=https://www.digikey.com/en/products/detail/yageo/SR0603FR-7T100KL/9373095, Mounting Technology=SMT, Resistance=100k, Size=0603, Supply 1 Name=Mouser, Supply 1 SN=603-SR0603FR-7T100KL, Supply 2 Name=Digikey, Supply 2 SN="YAG5821TR-ND YAG5821CT-ND YAG5821DKR-ND"
R4: library part 0006032031, "RES, 20 kOhms, size 0603, 1%", Rated Power="1/4 W", Resistance="20 k", Resistance tolerance=+/-1%, ComponentLink1Description="Datasheet link", Mounting Technology=SMT, Size=0603, Supply 1 Name=Mouser, Supply 1 SN=667-ERJ-S03F2002V, Supply 1 URL=https://www.mouser.vn/ProductDetail/Panasonic/ERJ-S03F2002V?qs=Zyl8A9hlmJopfTdqNIDujw%3D%3D, Supply 2 Name=Digi-Key, Supply 2 SN=13-RC0603FR-1320KLTR-ND, Supply 2 URL=https://www.digikey.com/en/products/detail/yageo/RC0603FR-1320KL/13694225
R5: library part 0006031521, "RES, 1.5 kOhms, size 0603, 1%", Rated Power="1/4 W", Resistance="1.5 k", Resistance tolerance=+/-1%, ComponentLink1Description="Datasheet link", Mounting Technology=SMT, Size=0603, Supply 1 Name=Mouser, Supply 1 SN=755-SFR03EZPF1501, Supply 1 URL=https://www.mouser.vn/ProductDetail/ROHM-Semiconductor/SFR03EZPF1501?qs=byeeYqUIh0NryWvnzlukLQ%3D%3D, Supply 2 Name=Digi-Key, Supply 2 SN=13-RC0603FR-071R5LTR-ND, Supply 2 URL=https://www.digikey.com/en/products/detail/yageo/RC0603FR-071R5L/5918292
R6: library part 0006035621, "RES, 5.6k Ohm, size 0603, 1%", Rated Power=1/4W, Resistance Tolerant=+/-1%, ComponentLink1Description="Datasheet link", ComponentLink1URL=https://api.pim.na.industrial.panasonic.com/file_stream/main/fileversion/4484, ComponentLink2Description="Supply 1 URL", ComponentLink2URL=https://www.mouser.vn/ProductDetail/Panasonic/ERJ-UP3F5601V?qs=sGAEpiMZZMvdGkrng054twq3eZrCFN89ezYxgAsnxBTZYD17cS%252B65A%3D%3D, ComponentLink3Description="Supply 2 URL", ComponentLink3URL=https://www.digikey.com/en/products/detail/panasonic-electronic-components/ERJ-UP3F5601V/12092890, Mounting Technology=SMT, Resistance=5.6k, Size=0603, Supply 1 Name=Mouser, Supply 1 SN=667-ERJ-UP3F5601V, Supply 2 Name=Digikey, Supply 2 SN="10-ERJ-UP3F5601VTR-ND 10-ERJ-UP3F5601VCT-ND 10-ERJ-UP3F5601VDKR-ND"
R7: library part 0006033205, "RES, 30k Ohm, size 0603, 1%", Rated Power="1/4 W", Resistance tolerance=+/-1%, ComponentLink1Description="Datasheet link", Mounting Technology=SMT, Resistance=30k, Size=0603
R8 R9 R10 R11 R12 R13 R14 R15 R20 R22 R25: library part 0006031031, "RES, 10k Ohm, size 0603, 1%", Rated Power=1/4W, Resistance Tolerant=+/-1%, ComponentLink1Description="Datasheet link", ComponentLink1URL=https://fscdn.rohm.com/en/products/databook/datasheet/passive/resistor/chip_resistor/esr-e.pdf, ComponentLink2Description="Supply 1 URL", ComponentLink2URL=https://www.mouser.vn/ProductDetail/ROHM-Semiconductor/ESR03EZPF1002?qs=sGAEpiMZZMvdGkrng054t67Efho1F8r6CDeAsqwFse8%3D, ComponentLink3Description="Supply 2 URL", ComponentLink3URL=https://www.digikey.com/en/products/detail/rohm-semiconductor/ESR03EZPF1002/1983429, Mounting Technology=SMT, Resistance=10k, Size=0603, Supply 1 Name=Mouser, Supply 1 SN=755-ESR03EZPF1002, Supply 2 Name=Digikey, Supply 2 SN="RHM10KADTR-ND RHM10KADCT-ND RHM10KADDKR-ND"
R16 R18 R21 R24: library part 0006032211, "RES, 220 Ohm, size 0603, 1%", Rated Power=1/4W, Resistance Tolerant=+/-1%, ComponentLink1Description="Datasheet link", ComponentLink1URL=https://api.pim.na.industrial.panasonic.com/file_stream/main/fileversion/4484, ComponentLink2Description="Supply 1 URL", ComponentLink2URL=https://www.mouser.vn/ProductDetail/Panasonic/ERJ-UP3F2200V?qs=sGAEpiMZZMvdGkrng054twq3eZrCFN89E%252BhCXuCu3h8RslmTO1I28Q%3D%3D, ComponentLink3Description="Supply 2 URL", ComponentLink3URL=https://www.digikey.com/en/products/detail/panasonic-electronic-components/ERJ-UP3F2200V/12092129, Mounting Technology=SMT, Resistance=220, Size=0603, Supply 1 Name=Mouser, Supply 1 SN=667-ERJ-UP3F2200V, Supply 2 Name=Digikey, Supply 2 SN="10-ERJ-UP3F2200VTR-ND 10-ERJ-UP3F2200VCT-ND 10-ERJ-UP3F2200VDKR-ND"
R17 R19 R23 R26: library part 0006032221, "RES, 2.2k Ohm, size 0603, 1%", Rated Power=1/4W, Resistance Tolerant=+/-1%, ComponentLink1Description="Datasheet link", ComponentLink1URL=https://api.pim.na.industrial.panasonic.com/file_stream/main/fileversion/4484, ComponentLink2Description="Supply 1 URL", ComponentLink2URL=https://www.mouser.vn/ProductDetail/Panasonic/ERJ-UP3F2201V?qs=sGAEpiMZZMvdGkrng054twq3eZrCFN89KeaXYJ5LTWyJgfuuVVfZrw%3D%3D, ComponentLink3Description="Supply 2 URL", ComponentLink3URL=https://www.digikey.com/en/products/detail/panasonic-electronic-components/ERJ-UP3F2201V/12092708, ComponentLink4Description="Supply 3 URL", ComponentLink4URL=https://www.thegioiic.com/dien-tro-2-2-kohm-0603-1, Mounting Technology=SMT, Resistance=2.2k, Size=0603, Supply 1 Name=Mouser, Supply 1 SN=667-ERJ-UP3F2201V, Supply 2 Name=Digikey, Supply 2 SN="10-ERJ-UP3F2201VTR-ND 10-ERJ-UP3F2201VCT-ND 10-ERJ-UP3F2201VDKR-ND", Supply 3 Name=thegioiic, Supply 3 SN=NA
RL1 RL2 RL3 RL4: "SeriesHF46F 12V 1 Form A 1A Gold Plated SUBMINIATURE INTERMEDIATE POWER RELAY", Package=None, Availability="Not in stock", Check_prices=https://www.snapeda.com/parts/HF46F/Hongfa/view-part/?ref=eda, MF=Hongfa, MP=HF46F, Price=None, SnapEDA_Link=https://www.snapeda.com/parts/HF46F/Hongfa/view-part/?ref=snap
TPS5423: library part TPS54231, "Buck Switching Regulator IC Positive Adjustable 0.8V 1 Output 2A 8-SOIC (0.154\", 3.90mm Width)", Current - Output=2A, Frequency - Switching=570kHz, Mfr="Texas Instruments", Operating Temperature="-40°C ~ 150°C (TJ)", Voltage - Input (Max)=28V, Voltage - Input (Min)=3.5V, Voltage - Output (Max)=25V, Voltage - Output (Min/Fixed)=0.8V, Category="Integrated Circuits (ICs)", ComponentLink1Description=Thegioiic, ComponentLink1URL=https://www.thegioiic.com/tps54231dr-ic-dieu-chinh-giam-ap-2a-8-soic, ComponentLink2Description=Datasheet, ComponentLink2URL=https://www.ti.com/lit/ds/symlink/tps54231.pdf, Function=Step-Down, Mounting Type="Surface Mount", Number of Outputs=1, Output Configuration=Positive, Output Type=Adjustable, Topology=Buck
U6: "Flame Sensor, 3.3V-5V, infrared, ouput: analog/digital."
U7: "Temperature & Humidity Sensor, 3.3V-5V, 5mA"
U8 U9 U10 U11: "PC817 series, SMD, I_F (max) = 500mA, V_F (max) = 1.4V. / Breakdown voltage: BV_CE = 80V, BV_BE = 6V."
USB: "Micro USB 2.0 Type B Receptacle WR-COM, Horizontal, SMT, with Pegs, High Current at Pin 1 & Pin 5", Contact Resistance="30 mOhm", Operating Temperature="-40 to 85 degC", Rated Current="3 A", Working Voltage="30 VAC", ComponentLink1Description=Manufacturer, ComponentLink1URL=http://www.we-online.de, ComponentLink2Description=Datasheet, ComponentLink2URL=https://katalog.we-online.de/em/datasheet/629105150521.pdf, Connector Type="Micro USB 2.0 Type B", Gender=Receptacle, Mounting Technology=SMT, Orientation=Horizontal, Packaging="Tape and Reel", Part Number=629105150521, Published Date="September 2018", Publisher="Wurth Elektronik"
USBLC6: "17V Clamp 5A (8/20Âµs) Ipp Tvs Diode Surface Mount SOT-23-6"
VR1: library part "07D471K 470V", "07D471K 470V"

## Via types
v1: diameter 0.6, hole 0.3, Top Layer to Bottom Layer, tented both sides, 677 vias
v2: diameter 0.6, hole 0.3, Top Layer to Bottom Layer, tented bottom, 35 vias

## Nets (pads, with @x,y where several pads share a name; then routed paths per layer and width w, separated by ;. In a path a pad name is that pad's centre, name@x,y a point inside that pad or via, vN(x,y) a via of type N, cw(c..) or ccw(c..) an arc to the next point about the centre after c; other vN are vias at no path point)
3.3V: 3V3.1 AMS1117.2 AMS1117.4 C5.1 C6.1 C14.1 C15.1 C18.1 CH340G.4 D1.1 ESP32.2 R10.1 R11.1 R12.1 R13.1 R14.1 R15.1 R16.1 R18.1 R20.1 R21.1 R22.1 R24.1 R25.1 | length 207.2
  Top Layer w0.508: R16.1@92.202,42.508 v2(93.591,42.508) ; R18.1@92.202,52.033 v2(93.435,52.033) ; R21.1@92.202,61.685 v2(93.599,61.685) ; R24.1@92.202,71.337 v2(93.599,71.337) ; v2(105.029,49.53) R20.1@105.029,50.456 ; C18.1@108.712,44.36 111.469,44.36 v2(111.506,44.323) CH340G.4@111.506,42.795 ; v2(115.824,49.6) R22.1@115.824,50.456 ; R11.1@116.205,29.427 R10.1@117.348,29.427 ; v2(117.348,30.353) R10.1@117.348,29.427 ; R10.1@117.729,29.427 R10.1@117.348,29.427 ; v2(120.396,50.8) 121.412,50.8 ; v2(121.412,46.895) 121.412,50.8 ; v2(121.412,53.218) 121.412,50.8 ; v2(126.619,49.652) R25.1@126.619,50.456 ; ESP32.2@137.932,29.621 C15.1@139.7,29.621 C14.1@141.224,29.621 148.292,29.621 148.292,28.61 AMS1117.4@148.59,28.312 ; v2(139.446,62.484) v2(139.446,65.913) ; v2(142.621,46.863) R12.1@142.621,47.953 ; v2(142.621,53.467) R13.1@142.621,54.52 ; v2(142.621,60.071) R14.1@142.621,61.124 ; v2(142.621,66.548) R15.1@142.621,67.601 ; D1.1@149.445,44.958 149.462,44.941 149.462,41.419 v2(149.479,41.402) ; v2(149.479,40.259) 149.558,40.259 149.685,40.132 3V3.1@151.511,40.132
  Bottom Layer w0.508: v2(93.435,52.033) 94.578,52.033 94.615,52.07 ; v2(93.591,42.508) 94.615,43.532 94.615,50.8 ; v2(93.599,61.685) 93.617,61.703 94.596,61.703 94.615,61.722 ; v2(93.599,71.337) 94.615,70.321 94.615,61.722 ; v2(105.029,49.53) 105.029,50.8 ; v2(111.506,44.323) 114.078,46.895 116.205,46.895 117.348,46.895 ; v2(115.824,49.6) 115.824,50.8 ; v2(117.348,30.353) 117.348,46.895 ; v2(121.412,46.895) 117.348,46.895 ; v2(121.412,53.218) 136.784,53.218 139.446,55.88 v2(139.446,62.484) ; v2(126.619,49.652) 125.471,50.8 v2(120.396,50.8) 115.824,50.8 ; v2(139.446,65.913) 142.621,65.913 ; v2(142.621,46.863) 145.161,46.863 ; v2(142.621,53.467) 145.161,53.467 ; v2(142.621,60.071) 145.161,60.071 ; v2(142.621,66.548) 142.621,65.913 ; v2(149.479,41.402) 145.161,45.72 145.161,46.863 ; 94.615,50.8 105.029,50.8 ; 94.615,50.8 94.615,52.07 ; 94.615,52.07 94.615,61.722 ; 105.029,50.8 115.824,50.8 ; 142.621,65.913 144.399,65.913 145.161,65.151 145.161,60.071 ; 145.161,46.863 145.161,53.467 ; 145.161,53.467 145.161,60.071
5V: 5V.1 AMS1117.3 C3.1 C4.1 C8.1 C9.1 C16.2 C17.1 CH340G.16 D3.1 D4.2 L1.2 LCD1.11 R2.2 U6.1 U7.1 | length 167.2
  Top Layer w0.203: R2.2@120.777,59.981 120.952,59.981 124.09,63.119 135.001,63.119
  Top Layer w0.254: 5V.1@135.001,73.101 134.958,73.059 134.958,66.08 135.382,65.657 v1(135.382,65.532)
  Top Layer w0.508: C17.1@104.308,37.449 C17.1@104.329,37.428 ; v1(106.553,39.37) 105.396,39.37 104.583,40.183 D4.2@104.308,40.183 104.033,40.183 102.997,39.147 C16.2@102.997,37.428 C17.1@104.329,37.428 ; CH340G.16@115.316,35.945 115.316,36.322 114.21,37.428 C17.1@104.394,37.428 C17.1@104.329,37.428 ; 130.048,65.405 D3.1@130.048,67.911 ; v1(134.239,64.389) v1(135.382,64.389) 135.382,64.31 135.001,63.929 135.001,63.119 LCD1.11@135.001,57.785
  Bottom Layer w0.508: U7.1@74.041,28.321 76.581,30.861 82.55,30.861 ; U6.1@82.55,28.321 82.55,30.861 ; v1(106.607,40.459) 106.58,40.432 106.58,39.915 ; 141.1,48.743 112.624,48.743 109.728,45.847 109.728,41.529 108.114,39.915 106.58,39.915 ; 82.55,30.861 85.57,30.861 94.65,39.941 105.981,39.941 v1(106.553,39.37) 106.58,39.397 106.58,39.915
  Bottom Layer w0.762: 135.118,65.796 v1(135.382,65.532) 136.017,64.897 138.557,64.897 141.1,62.354 141.1,48.743 141.1,42.542 142.875,40.767 145.542,40.767
  other v1: 146.304,40.132 146.304,41.402 136.525,64.389 134.239,65.532 136.525,65.532
5V_USB: D4.1 USB.1 USBLC6.5 | length 16.9
  Top Layer w0.381: v2@95.474,31.057 v2(95.483,31.048)
  Top Layer w0.432: v2@95.474,31.057 USB.1@95.474,32.364
  Top Layer w0.635: v2(100.33,34.29) USBLC6.5@100.33,35.194 v2(100.33,36.379)
  Top Layer w1.27: v2(97.847,36.379) 97.847,38.397 99.633,40.183 D4.1@99.908,40.183
  Bottom Layer w0.762: v2(97.847,36.379) v2(100.33,36.379)
  Bottom Layer w1.27: v2(95.483,31.048) 98.725,34.29 v2(100.33,34.29)
12V: 12V.1@73.965,72.949 C1.1 C2.1 C12.1 D5.2 D6.2 D7.2 D8.2 F1.1 R3.1 RL1.1 RL2.1 RL3.1 RL4.1 TPS5423.2 U8.4 U9.4 U10.4 U11.4 | length 140.7
  Top Layer w0.203: F1.1@99.991,58.242 F1.1@101.092,58.242 105.508,58.242 C1.1@105.918,58.652 ; C1.1@106.651,59.131 107.061,59.541 110.109,59.541 ; C2.1@111.252,59.981 111.077,59.981 110.637,59.541 110.109,59.541 ; TPS5423.2@115.614,66.802 114.681,66.802 113.505,67.978 113.505,67.989 113.332,68.162 C12.1@113.157,68.162 R3.1@111.252,68.162 110.453,68.162 110.109,67.818 110.109,59.541
  Top Layer w1.27: RL2.1@79.714,46.337 82.421,46.337 82.911,45.847 U9.4@85.357,45.847 ; RL1.1@79.756,36.703 82.128,36.703 82.262,36.569 82.537,36.569 82.677,36.429 D5.2@82.677,36.154 82.761,36.238 85.273,36.238 U8.4@85.357,36.322 ; RL3.1@79.841,55.979 79.869,56.007 82.001,56.007 82.135,55.873 82.41,55.873 82.55,55.733 D7.2@82.55,55.458 82.571,55.478 85.463,55.478 U10.4@85.484,55.499 ; RL4.1@79.841,65.631 79.869,65.659 82.276,65.659 82.283,65.652 82.41,65.652 82.55,65.512 D8.2@82.55,65.237 82.55,65.11 82.587,65.147 85.479,65.147 U11.4@85.484,65.151
  Bottom Layer w0.508: 78.105,72.949 78.156,72.898
  Bottom Layer w1.27: v2(73.965,72.949) 76.327,72.949 ; RL2.1@79.714,46.337 76.327,46.337 ; RL1.1@79.756,36.703 76.327,40.132 76.327,46.337 ; RL3.1@79.841,55.979 76.327,55.979 ; RL4.1@79.841,65.631 76.327,65.631 ; 109.093,62.103 108.458,62.103 99.06,62.103 96.266,64.897 96.266,70.485 93.802,72.949 78.105,72.949 76.327,72.949 ; 76.327,46.337 76.327,55.979 ; 76.327,55.979 76.327,65.631 ; 76.327,65.631 76.327,72.949
  other v1: 108.458,61.595 109.601,61.595 108.458,62.738 109.601,62.738
AC1: RL1.3 RL2.3 RL3.3 RL4.3 VR1.1 ~.1
  other v1: 59.69,31.75 63.5,31.75 64.77,31.75 59.055,33.02 64.135,33.02 65.405,33.02 64.77,34.29 66.04,34.29 66.675,35.56 67.945,35.56 67.31,36.83 68.58,36.83 67.945,38.1 69.215,38.1 67.31,39.37 68.58,39.37 67.945,43.18 69.215,43.18 67.31,44.45 68.58,44.45 67.945,45.72 69.215,45.72 67.31,46.99 68.58,46.99 67.945,48.26 69.215,48.26 67.31,49.53 68.58,49.53 67.31,52.07 67.945,53.34 69.215,53.34 67.31,54.61 68.58,54.61 67.945,55.88 69.215,55.88 67.31,57.15 68.58,57.15 67.945,58.42 69.215,58.42 67.31,59.69 67.31,62.23 68.58,62.23 67.945,63.5 69.215,63.5 67.31,64.77 68.58,64.77 67.945,66.04 69.215,66.04 67.31,67.31 68.58,67.31 67.945,68.58 69.215,68.58
AC2: P1.1 P2.1 P3.1 P4.1 VR1.2 ~.2
  other v1: 54.61,27.94 55.88,27.94 59.69,27.94 63.5,27.94 55.245,29.21 59.055,29.21 64.135,29.21 53.975,30.226 53.975,31.75 53.975,33.274 53.975,34.798 53.975,36.449 53.975,37.973 53.975,39.497 54.61,40.64 55.245,41.91 54.61,43.18 55.88,43.18 53.975,44.831 53.975,46.482 53.975,48.006 53.975,49.53 54.61,50.8 55.88,50.8 55.245,52.07 54.61,53.34 53.975,54.483 53.975,56.134 53.975,57.658 53.975,59.182 54.61,60.96 55.88,60.96 55.245,62.23 53.975,63.754 53.975,65.405 53.975,66.929 53.975,68.453 55.245,69.85 54.61,71.12 55.88,71.12 55.245,72.39 56.515,72.39 57.785,72.39 54.61,73.66 55.88,73.66 57.15,73.66 58.42,73.66
Button_1: 1.1 1.2 C23.1 ESP32.6 R12.2 | length 28.9
  Top Layer w0.203: ESP32.6@137.932,34.701 139.73,34.701 141.681,36.652 141.681,49.733 141.878,49.93 142.621,49.93
  Top Layer w0.762: 142.621,49.93 144.291,49.93 145.034,50.673 1.1@145.034,52.197
  Top Layer w1.27: 1.1@145.034,52.197 1.2@151.034,52.197
Button_2: 2.1 2.2 C24.1 ESP32.7 R13.2 | length 34
  Top Layer w0.203: ESP32.7@137.932,35.971 139.349,35.971 141.275,37.897 141.275,55.804 141.986,56.515 142.621,56.515
  Top Layer w0.762: 142.621,56.515 144.399,56.515 145.034,57.15 2.1@145.034,58.777
  Top Layer w1.27: 2.1@145.034,58.777 2.2@151.034,58.777
Button_3: 3.1 3.2 C25.1 ESP32.8 R14.2 | length 39.5
  Top Layer w0.203: ESP32.8@137.932,37.241 139.476,37.241 140.868,38.633 140.868,62.128 141.859,63.119 142.621,63.119
  Top Layer w0.762: 142.621,63.119 144.399,63.119 145.034,63.754 3.1@145.034,65.357
  Top Layer w1.27: 3.1@145.034,65.357 3.2@151.034,65.357
Button_4: 4.1 4.2 C26.1 ESP32.9 R15.2 | length 46
  Top Layer w0.203: ESP32.9@137.932,38.511 139.73,38.511 140.462,39.243 140.462,68.58 141.478,69.596 142.621,69.596
  Top Layer w0.508: R15.2@142.621,69.051 142.621,69.596 C26.1@142.621,70.141
  Top Layer w0.762: 142.621,69.596 144.018,69.596 145.034,70.612 4.1@145.034,71.937
  Top Layer w1.27: 4.1@145.034,71.937 4.2@151.034,71.937
DHT11: ESP32.11 U7.2 | length 84.8
  Top Layer w0.508: ESP32.11@137.932,41.051 v2(139.578,41.051)
  Bottom Layer w0.203: U7.2@76.581,28.321 77.724,27.178 91.059,27.178 91.821,27.94 91.821,33.528 95.377,37.084 106.747,37.084 110.769,41.107 110.769,45.425 112.944,47.6 137.627,47.6 139.578,45.648 v2(139.578,41.051)